# Altium PCB 12_fit_switch.PcbDoc (part 1 of 6)
Units mm, origin at the board's own origin, x right, y up, seen from the top; angles counter-clockwise.
Board outline 240 x 160 mm, 2 copper layers (TopLayer, BottomLayer), stack 1.6 mm thick; 452 components, 319 nets, 1383 pads, 217 vias.
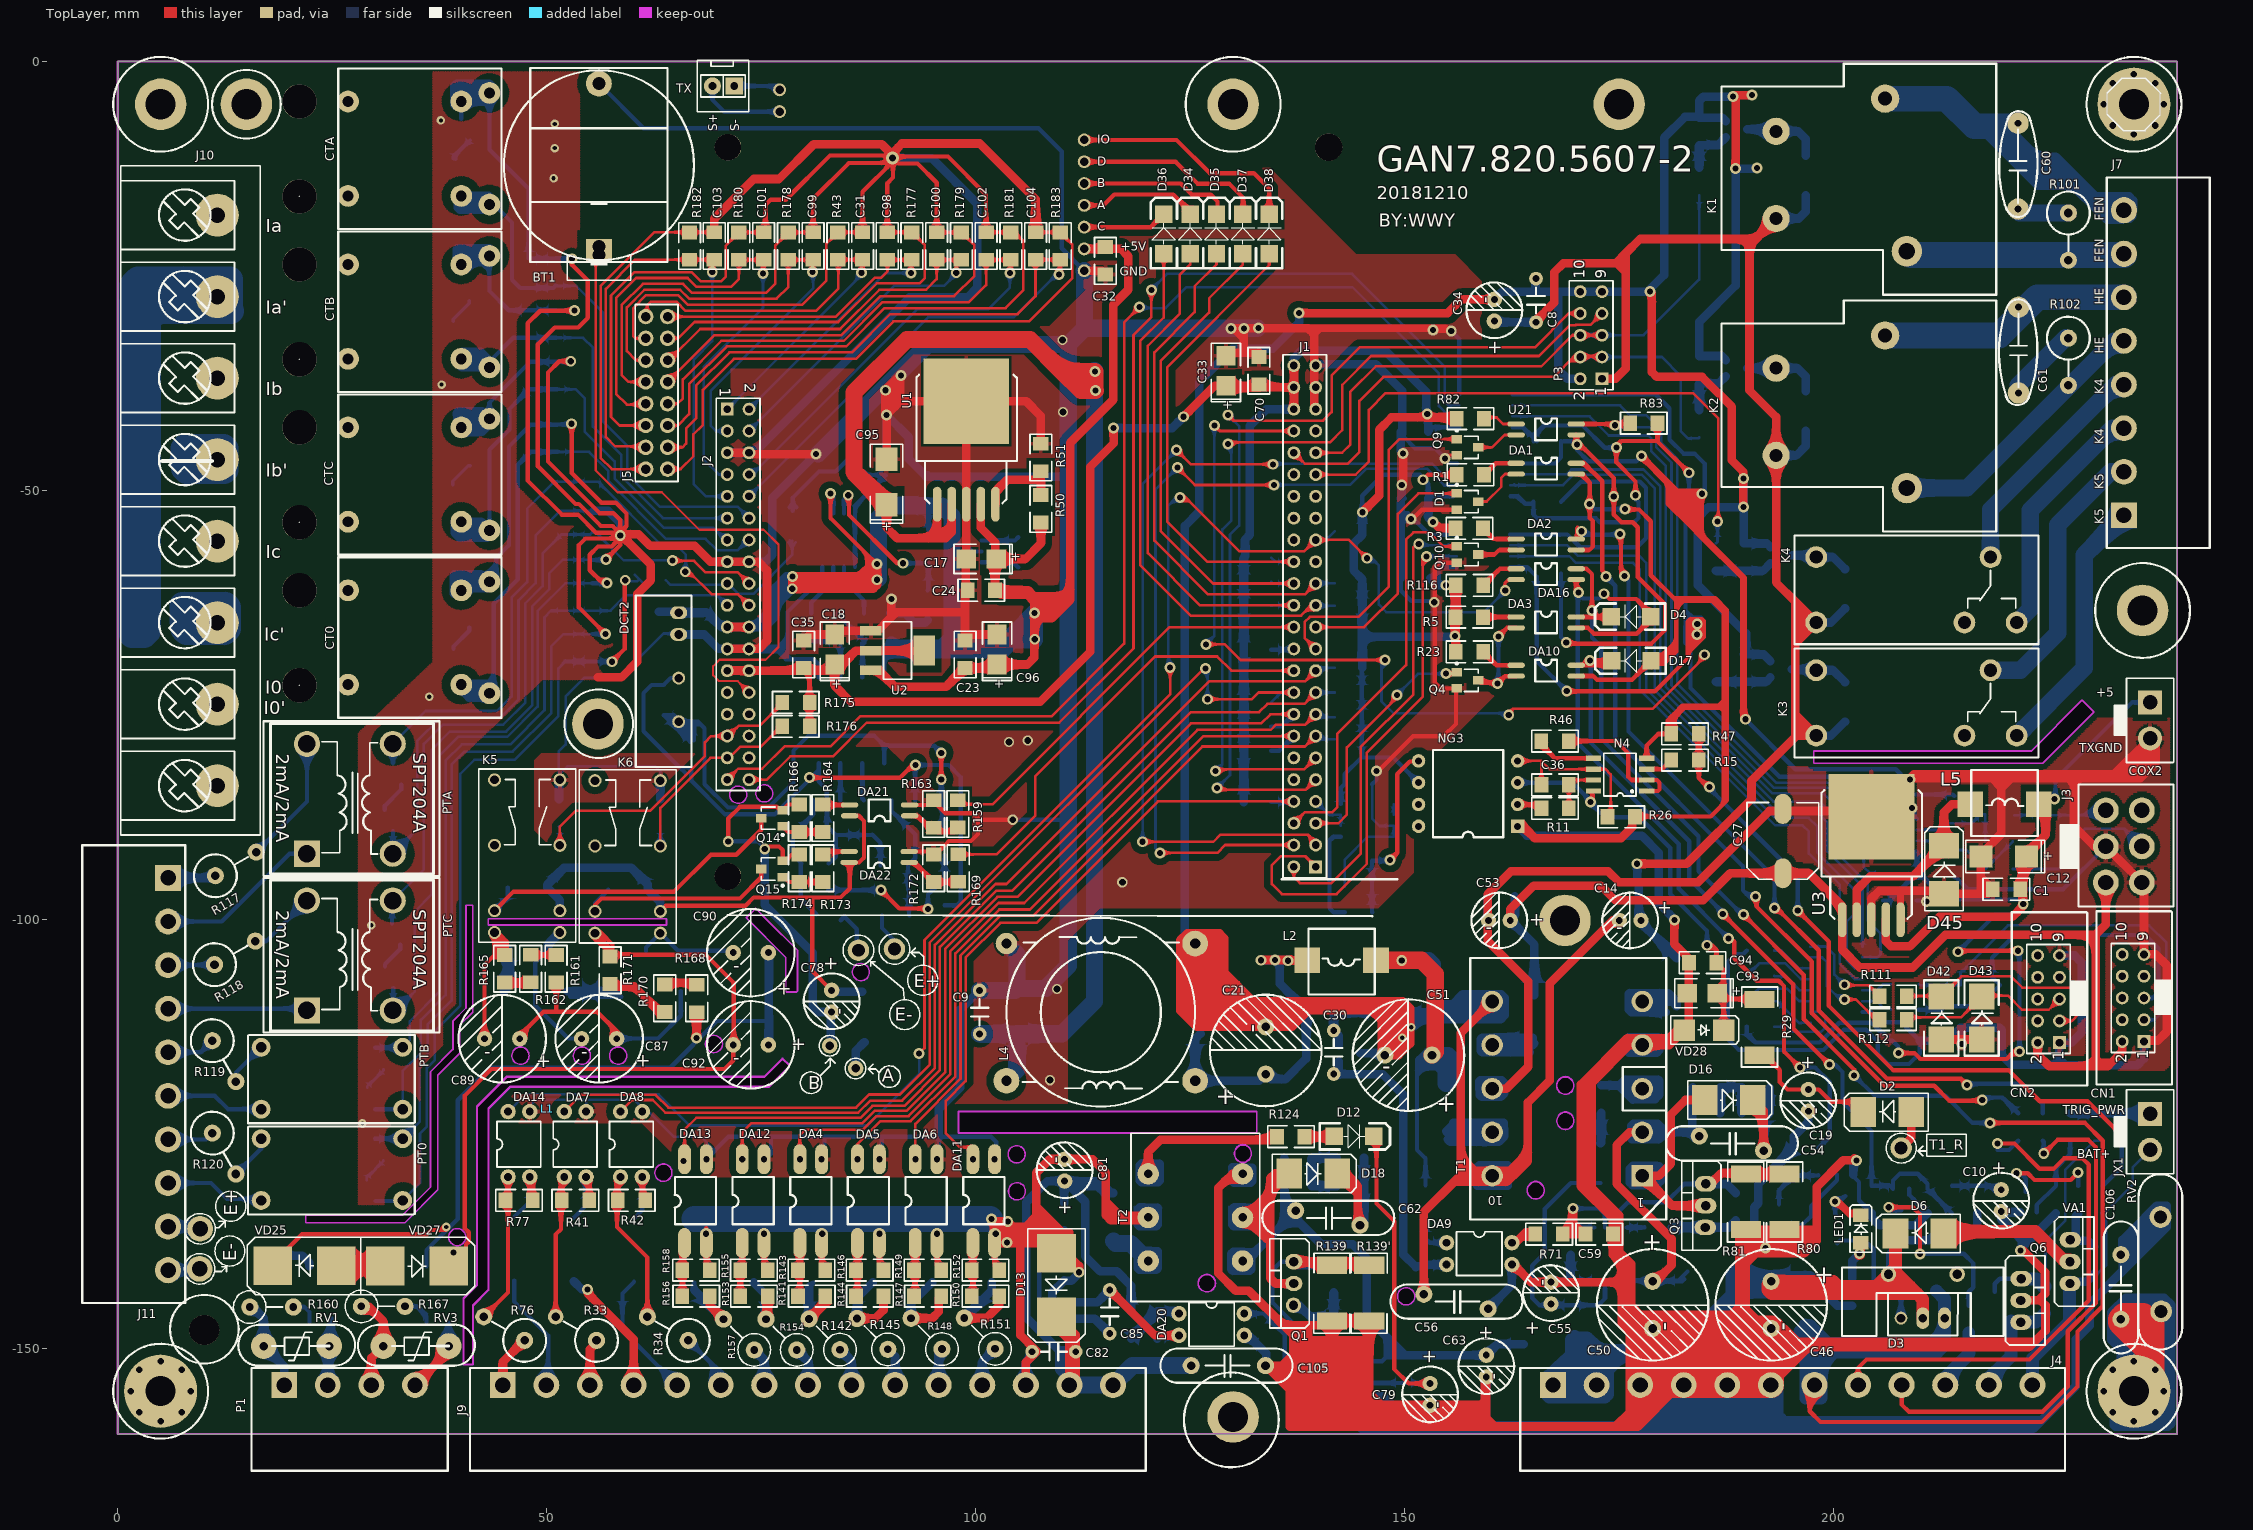
[diagram p0: TopLayer view]
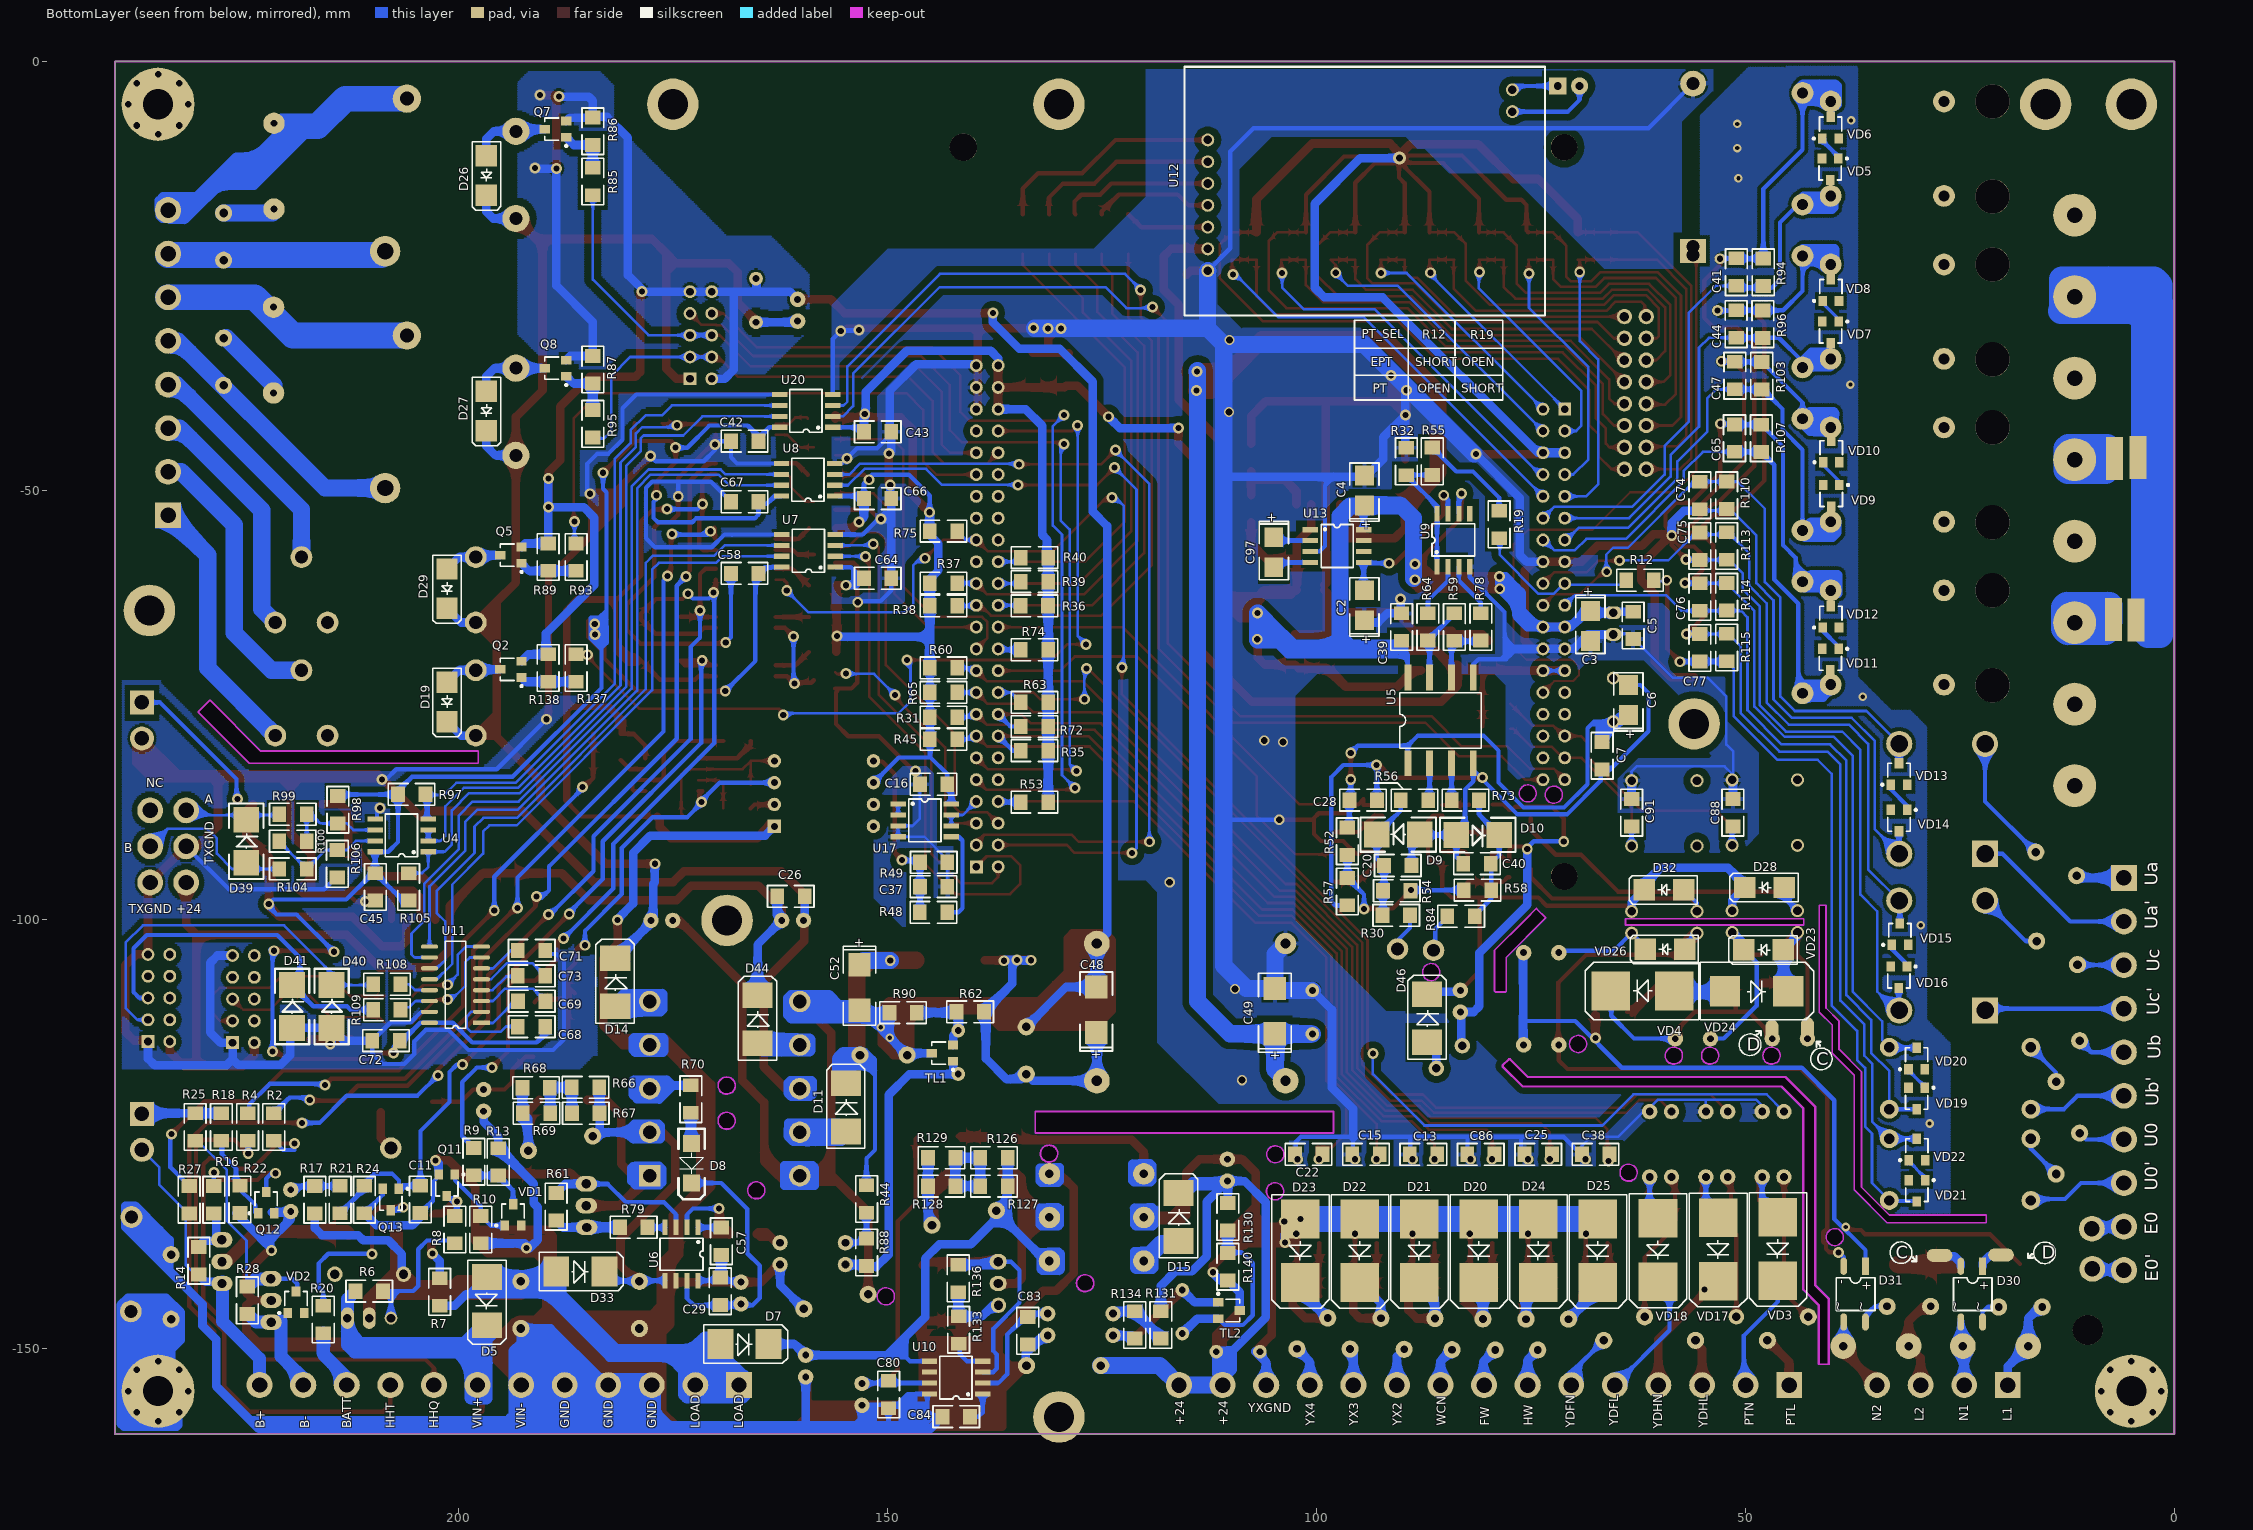
[diagram p1: BottomLayer view, seen from below]
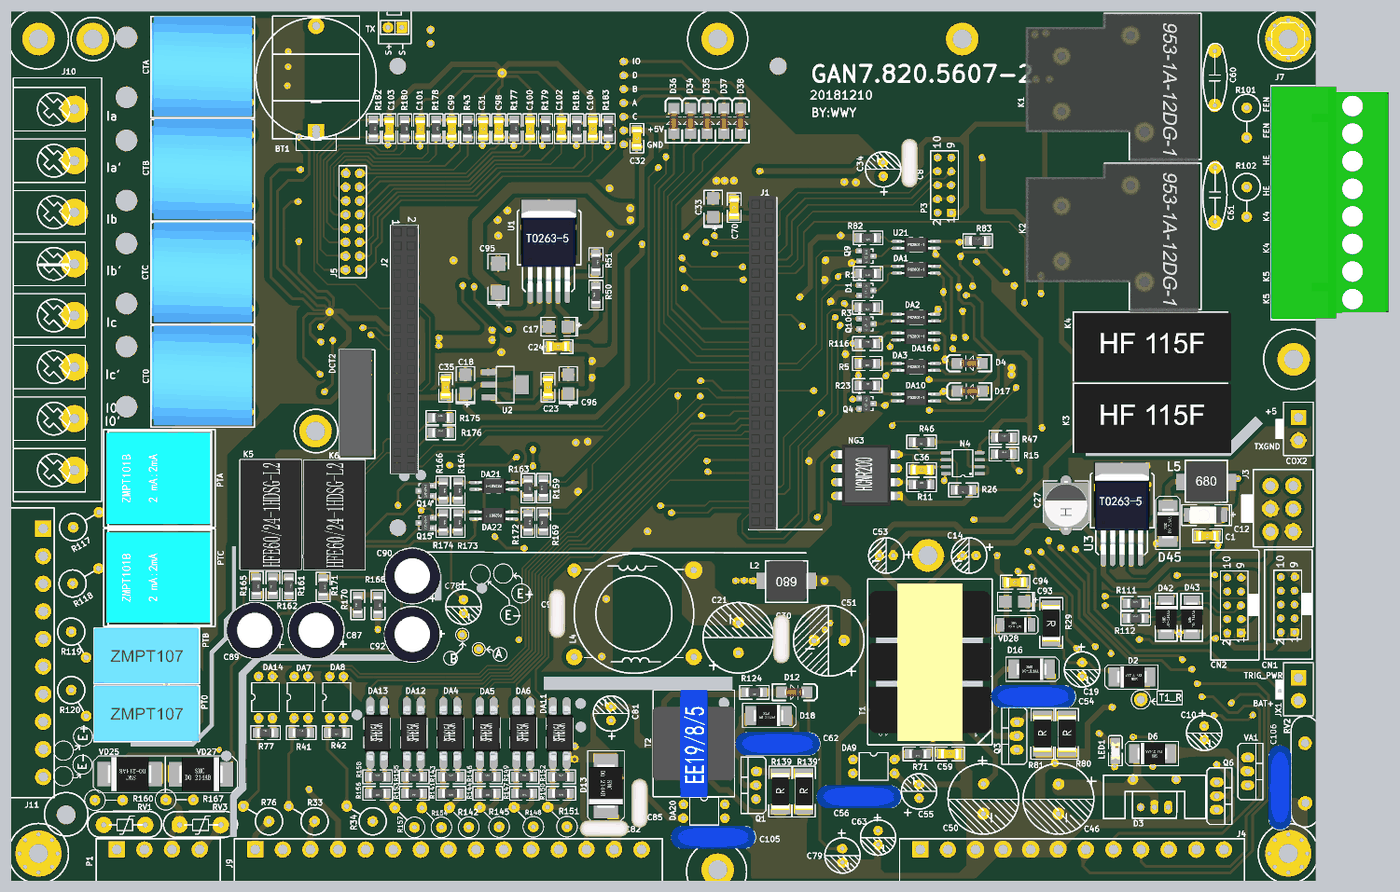
[diagram p7: 3D render of the assembled board from above, using the file's embedded part models]
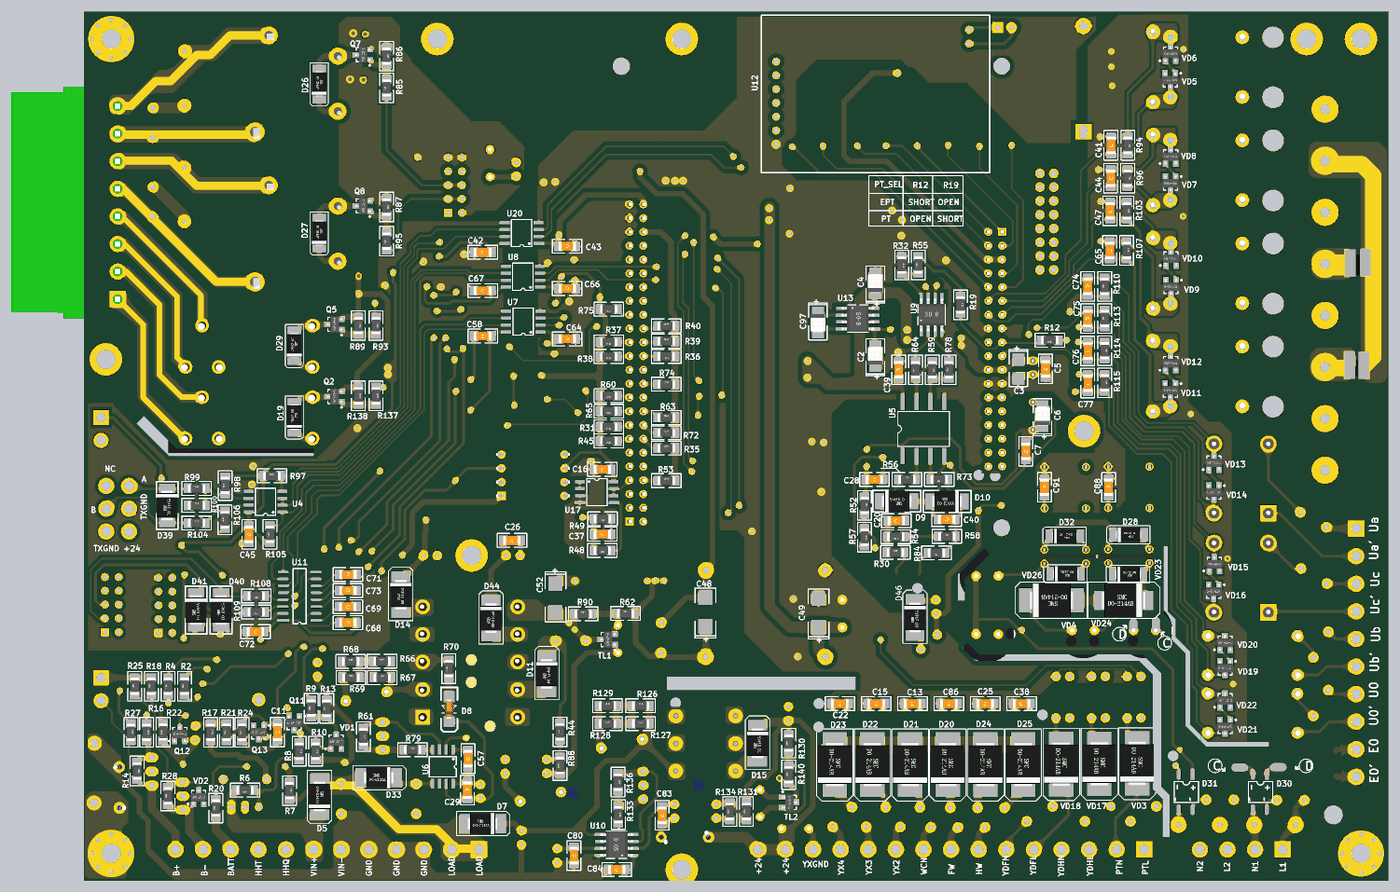
[diagram p8: 3D render of the assembled board from below, using the file's embedded part models]

## Layer stack, top to bottom
TopSolder: solder mask 0.0102, Solder Resist, Dk 3.5
TopLayer: signal copper 0.0356
Dielectric1: core 1.529, FR-4, Dk 4.8
BottomLayer: signal copper 0.0356
BottomSolder: solder mask 0.0102, Solder Resist, Dk 3.5

## Board outline
0,-160 240,-160 240,0 0,0
cut-out: 85.614,-106.147 ccw(c86.614,-106.147) 86.614,-107.147 ccw(c86.614,-106.147) 87.614,-106.147 ccw(c86.614,-106.147) 86.614,-105.147 ccw(c86.614,-106.147)
cut-out: 71.315,-85.474 ccw(c72.315,-85.474) 72.315,-86.474 ccw(c72.315,-85.474) 73.315,-85.474 ccw(c72.315,-85.474) 72.315,-84.474 ccw(c72.315,-85.474)
cut-out: 167.708,-119.383 ccw(c168.708,-119.383) 168.708,-120.383 ccw(c168.708,-119.383) 169.708,-119.383 ccw(c168.708,-119.383) 168.708,-118.383 ccw(c168.708,-119.383)
cut-out: 167.734,-123.498 ccw(c168.734,-123.498) 168.734,-124.498 ccw(c168.734,-123.498) 169.734,-123.498 ccw(c168.734,-123.498) 168.734,-122.498 ccw(c168.734,-123.498)
cut-out: 164.279,-131.601 ccw(c165.279,-131.601) 165.279,-132.601 ccw(c165.279,-131.601) 166.279,-131.601 ccw(c165.279,-131.601) 165.279,-130.601 ccw(c165.279,-131.601)
cut-out: 149.166,-143.945 ccw(c150.166,-143.945) 150.166,-144.945 ccw(c150.166,-143.945) 151.166,-143.945 ccw(c150.166,-143.945) 150.166,-142.945 ccw(c150.166,-143.945)
cut-out: 125.925,-142.421 ccw(c126.925,-142.421) 126.925,-143.421 ccw(c126.925,-142.421) 127.925,-142.421 ccw(c126.925,-142.421) 126.925,-141.421 ccw(c126.925,-142.421)
cut-out: 130.167,-127.359 ccw(c131.167,-127.359) 131.167,-128.359 ccw(c131.167,-127.359) 132.167,-127.359 ccw(c131.167,-127.359) 131.167,-126.359 ccw(c131.167,-127.359)
cut-out: 103.802,-131.702 ccw(c104.802,-131.702) 104.802,-132.702 ccw(c104.802,-131.702) 105.802,-131.702 ccw(c104.802,-131.702) 104.802,-130.702 ccw(c104.802,-131.702)
cut-out: 103.776,-127.384 ccw(c104.776,-127.384) 104.776,-128.384 ccw(c104.776,-127.384) 105.776,-127.384 ccw(c104.776,-127.384) 104.776,-126.384 ccw(c104.776,-127.384)
cut-out: 125.951,-142.355 ccw(c126.951,-142.355) 126.951,-143.355 ccw(c126.951,-142.355) 127.951,-142.355 ccw(c126.951,-142.355) 126.951,-141.355 ccw(c126.951,-142.355)
cut-out: 130.142,-127.242 ccw(c131.142,-127.242) 131.142,-128.242 ccw(c131.142,-127.242) 132.142,-127.242 ccw(c131.142,-127.242) 131.142,-126.242 ccw(c131.142,-127.242)
cut-out: 164.279,-131.534 ccw(c165.279,-131.534) 165.279,-132.534 ccw(c165.279,-131.534) 166.279,-131.534 ccw(c165.279,-131.534) 165.279,-130.534 ccw(c165.279,-131.534)
cut-out: 167.734,-123.432 ccw(c168.734,-123.432) 168.734,-124.432 ccw(c168.734,-123.432) 169.734,-123.432 ccw(c168.734,-123.432) 168.734,-122.432 ccw(c168.734,-123.432)
cut-out: 167.734,-119.317 ccw(c168.734,-119.317) 168.734,-120.317 ccw(c168.734,-119.317) 169.734,-119.317 ccw(c168.734,-119.317) 168.734,-118.317 ccw(c168.734,-119.317)
cut-out: 62.603,-129.477 ccw(c63.603,-129.477) 63.603,-130.477 ccw(c63.603,-129.477) 64.603,-129.477 ccw(c63.603,-129.477) 63.603,-128.477 ccw(c63.603,-129.477)
cut-out: 103.827,-131.702 ccw(c104.827,-131.702) 104.827,-132.702 ccw(c104.827,-131.702) 105.827,-131.702 ccw(c104.827,-131.702) 104.827,-130.702 ccw(c104.827,-131.702)
cut-out: 103.751,-127.41 ccw(c104.751,-127.41) 104.751,-128.41 ccw(c104.751,-127.41) 105.751,-127.41 ccw(c104.751,-127.41) 104.751,-126.41 ccw(c104.751,-127.41)
cut-out: 40.31,-151.942 41.377,-151.942 ccw(c41.377,-151.841) 41.477,-151.841 41.477,-145.025 43.251,-143.251 ccw(c43.18,-143.18) 43.28,-143.18 43.28,-122.063 45.787,-119.557 75.921,-119.557 ccw(c75.921,-119.456) 75.992,-119.527 78.303,-117.216 ccw(c78.232,-117.145) 78.332,-117.145 ccw(c78.232,-117.145) 78.319,-117.094 ccw(c78.232,-117.043) 78.332,-117.043 ccw(c78.232,-117.043) 78.303,-116.972 77.566,-116.236 ccw(c77.495,-116.307) 77.483,-116.207 ccw(c77.47,-116.307) 77.399,-116.236 75.346,-118.289 45.339,-118.289 ccw(c45.339,-118.389) 45.268,-118.318 41.814,-121.773 ccw(c41.885,-121.844) 41.784,-121.844 41.784,-142.605 40.239,-144.15 ccw(c40.31,-144.221) 40.209,-144.221 40.209,-151.841 ccw(c40.31,-151.841)
cut-out: 38.575,-137.036 ccw(c39.575,-137.036) 39.575,-138.036 ccw(c39.575,-137.036) 40.575,-137.036 ccw(c39.575,-137.036) 39.575,-136.036 ccw(c39.575,-137.036)
cut-out: 45.941,-115.837 ccw(c46.941,-115.837) 46.941,-116.837 ccw(c46.941,-115.837) 47.941,-115.837 ccw(c46.941,-115.837) 46.941,-114.837 ccw(c46.941,-115.837)
cut-out: 53.103,-115.837 ccw(c54.103,-115.837) 54.103,-116.837 ccw(c54.103,-115.837) 55.103,-115.837 ccw(c54.103,-115.837) 54.103,-114.837 ccw(c54.103,-115.837)
cut-out: 57.32,-115.837 ccw(c58.32,-115.837) 58.32,-116.837 ccw(c58.32,-115.837) 59.32,-115.837 ccw(c58.32,-115.837) 58.32,-114.837 ccw(c58.32,-115.837)
cut-out: 68.496,-114.532 ccw(c69.496,-114.532) 69.496,-115.532 ccw(c69.496,-114.532) 70.496,-114.532 ccw(c69.496,-114.532) 69.496,-113.532 ccw(c69.496,-114.532)
cut-out: 74.363,-85.322 ccw(c75.363,-85.322) 75.363,-86.322 ccw(c75.363,-85.322) 76.363,-85.322 ccw(c75.363,-85.322) 75.363,-84.322 ccw(c75.363,-85.322)
cut-out: 149.166,-143.945 ccw(c150.166,-143.945) 150.166,-144.945 ccw(c150.166,-143.945) 151.166,-143.945 ccw(c150.166,-143.945) 150.166,-142.945 ccw(c150.166,-143.945)
cut-out: 197.688,-81.813 197.688,-80.391 223.012,-80.391 228.93,-74.473 228.981,-74.473 230.327,-75.819 230.327,-75.844 224.358,-81.813
cut-out: 98.007,-124.916 132.762,-124.916 132.762,-122.401 98.007,-122.401
cut-out: 21.92,-135.357 33.477,-135.357 37.313,-131.521 37.313,-118.186 39.878,-115.621 39.878,-112.319 41.377,-110.82 41.377,-98.374 40.589,-98.374 40.589,-110.338 39.065,-111.862 39.065,-115.164 36.449,-117.78 36.449,-131.242 33.223,-134.468 21.92,-134.468
cut-out: 43.18,-100.653 43.18,-99.949 63.957,-99.949 63.957,-100.653
cut-out: 73.254,-99.832 77.871,-104.45 77.871,-108.387 77.953,-108.468 79.121,-108.468 79.223,-108.367 79.223,-103.617 75.667,-100.061 74.346,-98.74

## Design rules (kind name [scope] priority, off if disabled: settings)
Clearance Clearance_1 [InNamedPolygon('BOT_GND','TOP_GND') vs (not OnLayer('Keepout-Layer')) OR (NOT IsBoardCutoutRegion) OR (NOT IsRegion)] p1: gap=0.8 ignorepadtopadclearanceinfootprint=FALSE except(0: Arc-Hole Track-Hole SMDPad-Hole THPad-Hole Via-Hole Fill-Hole Poly-Hole Region-Hole Text-Hole)
Clearance [(OnLayer('KeepOutLayer')or IsBoardCutoutRegion OR IsRegion)] p2: gap=0 ignorepadtopadclearanceinfootprint=FALSE
Clearance poly_6gnd [(InNamedPolygon('6GND'))] p3: gap=0.8 ignorepadtopadclearanceinfootprint=FALSE except(0: Arc-Hole Track-Hole SMDPad-Hole THPad-Hole Via-Hole Fill-Hole Poly-Hole Region-Hole Text-Hole)
Clearance poly_2 [(InNamedPolygon('TXGND'))] p4: gap=0.6 ignorepadtopadclearanceinfootprint=FALSE except(0: Arc-Hole Track-Hole SMDPad-Hole THPad-Hole Via-Hole Fill-Hole Poly-Hole Region-Hole Text-Hole)
Clearance MTPADCLEARANCE [INPADCLASS(MOUTPADClass)] p5: gap=6 ignorepadtopadclearanceinfootprint=FALSE except(0: Arc-Hole Track-Hole SMDPad-Hole THPad-Hole Via-Hole Fill-Hole Poly-Hole Region-Hole Text-Hole)
Clearance POLY_CTPT [InNamedPolygon('TOP_CTPTGND')] p6: gap=0.8 ignorepadtopadclearanceinfootprint=FALSE except(0: Arc-Hole Track-Hole SMDPad-Hole THPad-Hole Via-Hole Fill-Hole Poly-Hole Region-Hole Text-Hole)
Clearance POLY [InNamedPolygon('BOT_CTPTGND')] p7: gap=0.4 ignorepadtopadclearanceinfootprint=FALSE except(0: Arc-Hole Track-Hole SMDPad-Hole THPad-Hole Via-Hole Fill-Hole Poly-Hole Region-Hole Text-Hole)
Clearance BASICClearance [not inpolygon] p8: gap=0.3 ignorepadtopadclearanceinfootprint=FALSE except(0: Arc-Hole Track-Hole SMDPad-Hole THPad-Hole Via-Hole Fill-Hole Poly-Hole Region-Hole Text-Hole)
Clearance POLY_1 [(InNamedPolygon('Top Layer-GND'))] p9: gap=0.8 ignorepadtopadclearanceinfootprint=FALSE except(0: Arc-Hole Track-Hole SMDPad-Hole THPad-Hole Via-Hole Fill-Hole Poly-Hole Region-Hole Text-Hole)
Clearance free-pad2 [InNet('EARTH') and haspad('FREE-PAD2') vs OnLayer('KeepOutLayer')] p10: gap=0 ignorepadtopadclearanceinfootprint=FALSE
Clearance HoleClearance [haspad('Free-PAD6'  , 'free-PAD4'  , 'Free-PAD1', 'Free-PAD0')] p11: gap=0.2 ignorepadtopadclearanceinfootprint=FALSE except(0: Arc-Hole Track-Hole SMDPad-Hole THPad-Hole Via-Hole Fill-Hole Poly-Hole Region-Hole Text-Hole)
Clearance RELAYClearance [InNetClass('RELAYOUTClass') vs NOT InNetClass('RELAYOUTClass') AND (NOT ONLAYER(KEEPOUTLAYER))] p12: gap=4 ignorepadtopadclearanceinfootprint=FALSE except(0: Arc-Hole Track-Hole SMDPad-Hole THPad-Hole Via-Hole Fill-Hole Poly-Hole Region-Hole Text-Hole)
Clearance RS232CLEARANCE [InNetClass('RS232Class') vs InNetClass('CPUClass') AND NOT InNetClass('RS232Class') AND (NOT ONLAYER(KEEPOUTLAYER))] p13: gap=3.3 ignorepadtopadclearanceinfootprint=FALSE except(0: Arc-Hole Track-Hole SMDPad-Hole THPad-Hole Via-Hole Fill-Hole Poly-Hole Region-Hole Text-Hole)
ComponentClearance ComponentClearance_3 [InComponent('L1','L3')] p1: gap=0 collisioncheckmode=3 verticalgap=0 showdistances=FALSE
ComponentClearance ComponentClearance_2 [InComponent('J1','J2') vs InComponent('CPU1')] p2: gap=0 collisioncheckmode=3 verticalgap=0 showdistances=FALSE
ComponentClearance ComponentClearance_1 [K4] p3: gap=0 collisioncheckmode=3 verticalgap=0 showdistances=TRUE
ComponentClearance [All] p4: gap=0 collisioncheckmode=3 verticalgap=0 showdistances=TRUE
FabricationTestPointUsage TestPointUsage [All] p1: valid=0 allowmultiple=FALSE
FabricationTestpoint Testpoint [All] p1: side=3 testpointundercomponent=TRUE minsize=1.016 maxsize=2.54 preferedsize=1.524 minholesize=0.508 maxholesize=1.016 preferedholesize=0.813 testpointgrid=0.025 allowsidetop=TRUE allowsidebottom=TRUE usegrid=TRUE gridtolerance=0
Height [All] p1: minheight=0 maxheight=30 prefheight=12.7
HoleSize [All] p1: absolutevalues=TRUE maxlimit=4 minlimit=0.5 maxpercent=80.000 minpercent=20.000
PlaneClearance [All] p1: clearance=0.5
PlaneConnect [All] p1: planeconnectstyle=Relief reliefexpansion=0.508 reliefentries=4 reliefconductorwidth=0.5 reliefairgap=1
PolygonConnect PolygonConnect_1 [isvia] p1: connectstyle=Direct reliefconductorwidth=0.5 reliefentries=4 polygonreliefangle="90 Angle" airgapwidth=0.254
PolygonConnect [All] p2: connectstyle=Relief reliefconductorwidth=0.5 reliefentries=4 polygonreliefangle="90 Angle" airgapwidth=0.254
PolygonConnect PolygonConnect_3 [not InNamedPolygon('BOT_CTPTGND')] p3: connectstyle=NoConnect reliefconductorwidth=0.254 reliefentries=4 polygonreliefangle="90 Angle" airgapwidth=0.254
PolygonConnect PolygonConnect_2 [not InNamedPolygon('TOP_CTPTGND')] p4: connectstyle=NoConnect reliefconductorwidth=0.254 reliefentries=4 polygonreliefangle="90 Angle" airgapwidth=0.254
RoutingVias [All] p1: holewidth=0.6 width=1 viastyle="Through Hole" minholewidth=0.5 minwidth=0.8 maxholewidth=0.8 maxwidth=1.5
SilkToSolderMaskClearance SilkscreenOverComponentPads [IsPad] p1: minsilkscreentomaskgap=0.1 clearancetoexposedcopper=FALSE
SolderMaskExpansion [All] p1: expansion=0.102
Width [All] p1 off: maxlimit=0.254 minlimit=0.2 preferedwidth=0.254
Width Width_1 [All] p2: maxlimit=5 minlimit=0.2 preferedwidth=1
22 further rules are at their usual default settings.

## Classes and differential pairs
pad class MOUTPADClass: Free-H3
component class 12_fit_POW: BT1 C1 C8 C9 C10 C11 C12 C14 C16 C17 C18 C19 C21 C23 C24 C26 C27 C29 C30 C33 C34 C35 C36 C37 C46 C48 C49 C50 C51 C52 C53 C54 C55 C56 C57 C59 C70 C93 C94 C95 C96 C106 COX2 D1 D2 D3 D4 D5 D6 D8 D11 D14 D16 D17 D33 D44 D45 DA1 DA2 DA3 DA9 DA10 J4 JX1 L2 L4 L5 LED1 N4 NG3 Q3 Q4 Q6 Q10 Q11 Q12 Q13 R1 R2 R3 R4 R5 R6 R7 R8 R9 R10 R11 R13 R14 R15 R16 R17 R18 R20 R21 R22 R23 R24 R25 R26 R27 R28 R29 R44 R46 R47 R48 R49 R50 R51 R61 R62 R66 R67 R68 R69 R70 R71 R79 R80 R81 R88 R90 RV2 T1 TL1 U1 U2 U3 U6 U17 VA1 VD1 VD2 VD28
component class 12_fit_YK: C60 C61 C62 C63 C79 C80 C81 C82 C83 C84 C85 C105 D7 D12 D13 D15 D18 D19 D26 D27 D29 DA20 J7 K1 K2 K3 K4 P3 Q1 Q2 Q5 Q7 Q8 R85 R86 R87 R89 R93 R95 R101 R102 R124 R126 R127 R128 R129 R130 R131 R133 R134 R136 R137 R138 R139 R139' R140 RP4 T2 TL2 U10
component class 12_fit_YX: C13 C15 C22 C25 C32 C38 C86 C87 C88 C89 C90 C91 C92 D20 D21 D22 D23 D24 D25 D28 D30 D31 D32 D34 D35 D36 D37 D38 DA4 DA5 DA6 DA7 DA8 DA11 DA12 DA13 DA14 DA16 DA21 DA22 J9 K5 K6 P1 Q14 Q15 R31 R33 R34 R35 R36 R37 R38 R39 R40 R41 R42 R45 R53 R60 R63 R65 R72 R74 R75 R76 R77 R116 R141 R142 R143 R144 R145 R146 R147 R148 R149 R150 R151 R152 R153 R154 R155 R156 R157 R158 R159 R160 R161 R162 R163 R164 R165 R166 R167 R168 R169 R170 R171 R172 R173 R174 R175 R176 RV1 RV3 TX U12 VD3 VD4 VD17 VD18 VD23 VD24 VD25 VD26 VD27
component class 12_fit_YC: C2 C3 C4 C5 C6 C7 C20 C28 C31 C39 C40 C41 C42 C43 C44 C45 C47 C58 C64 C65 C66 C67 C68 C69 C71 C72 C73 C74 C75 C76 C77 C97 C98 C99 C100 C101 C102 C103 C104 C201 C202 C203 C204 C205 C206 C207 C208 CN1 CN2 CT0 CTA CTB CTC D9 D10 D39 D40 D41 D42 D43 DCT2 J1 J2 J3 J5 J10 J11 L1 PT0 PTA PTB PTC Q9 R12 R19 R30 R32 R43 R52 R54 R55 R56 R57 R58 R59 R64 R73 R78 R82 R83 R84 R94 R96 R97 R98 R99 R100 R103 R104 R105 R106 R107 R108 R109 R110 R111 R112 R113 R114 R115 R117 R118 R119 R120 R177 R178 R179 R180 R181 R182 R183 R201 R202 R203 R204 R205 R206 R207 U4 U5 U7 U8 U9 U11 U13 U20 U21 VD5 VD6 VD7 VD8 VD9 VD10 VD11 VD12 VD13 VD14 VD15 VD16 VD19 VD20 VD21 VD22
